# KiCad board Li-ion charger_panel.kicad_pcb (continued)
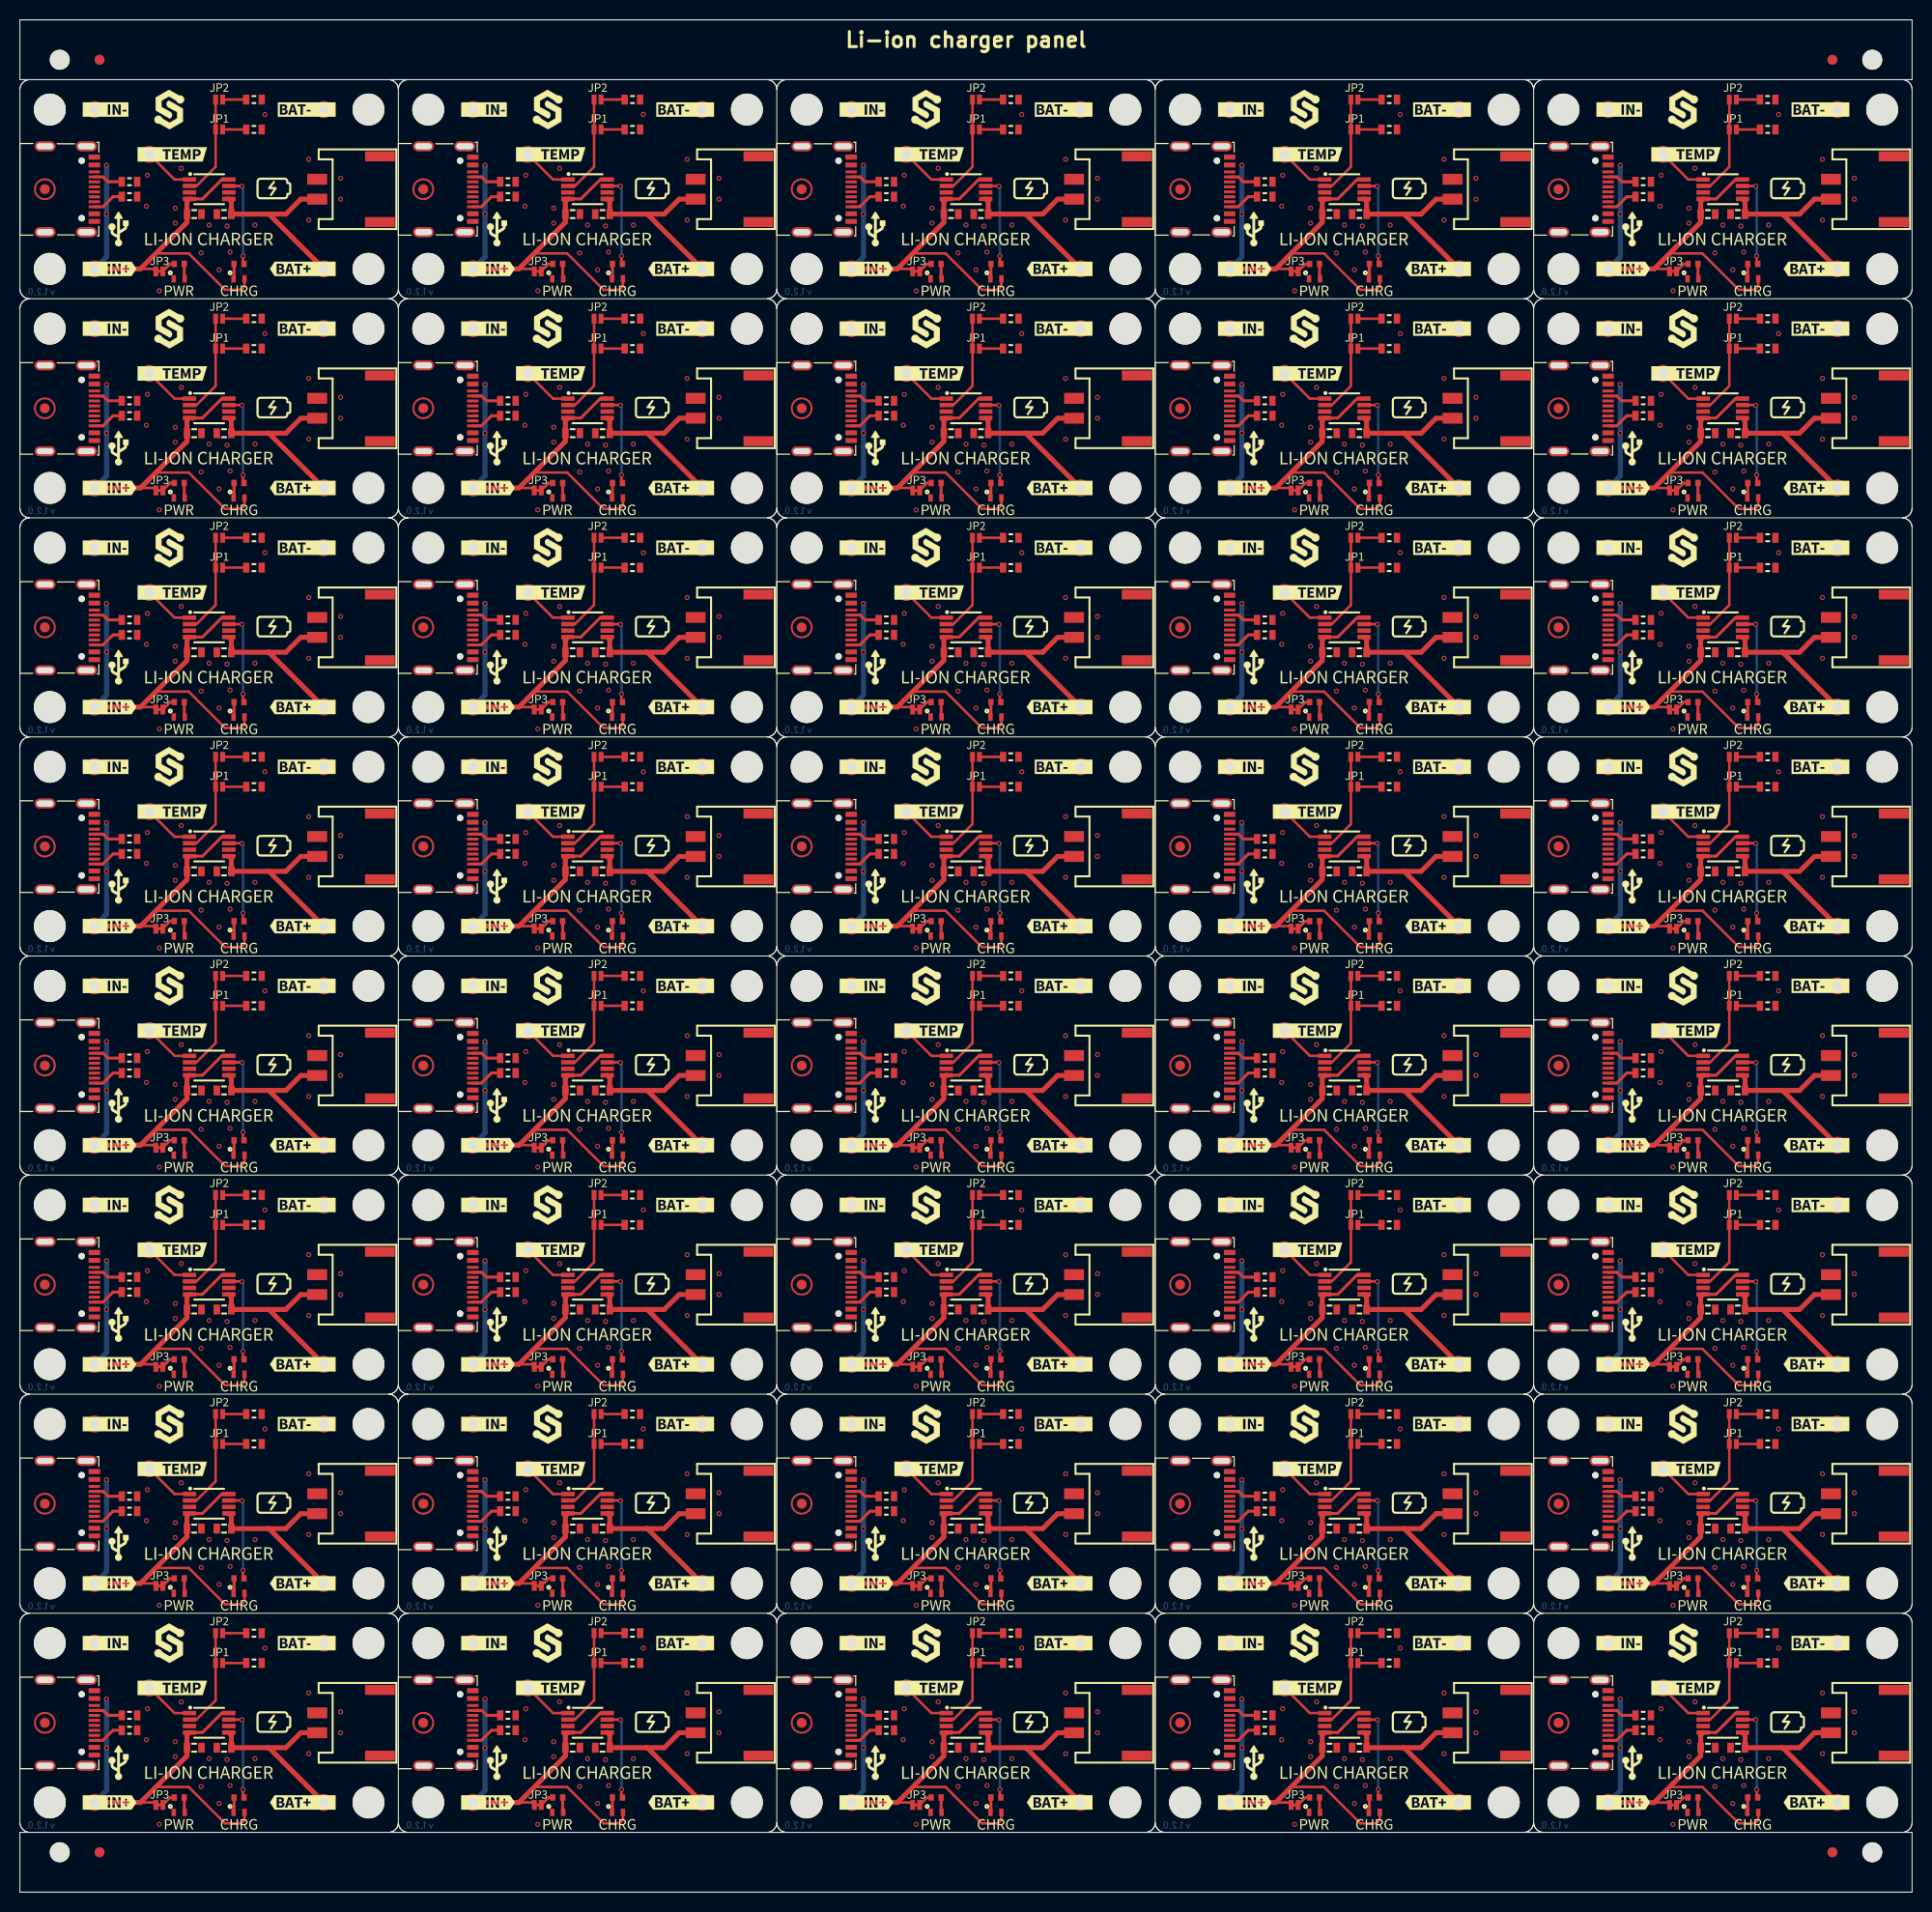
[diagram p0: board, top side]
## Routing (per net, layer and track width the routed paths; a pad name or vN(x,y) marks a point on that pad's centre or on a via; arc(x,y) is an arc through that point) (continued)
Board_10-Net-(D1-Pad2): length 1.5
  Top w0.3: D1#29.2 21.5,118.05 R5#9.2
Board_10-Net-(D2-Pad1): length 1.5
  Top w0.3: D2#26.1 16.5,118.05 R6#5.2
Board_10-Net-(JP1-Pad1): length 2.4
  Top w0.254: JP1#27.1 R3#19.2
Board_10-Net-(JP2-Pad1): length 2.4
  Top w0.254: JP2#8.1 R4#11.2
Board_10-Net-(JP3-Pad2): length 1.5
  Top w0.25: JP3#13.2 15.1,119.5 R6#5.1
Board_10-Net-(K1-PadA5): length 3
  Top w0.3: R2#12.1 8.85,127.75 8.36,128.24 K1#40.A5
Board_10-Net-(K1-PadB5): length 3.2
  Top w0.3: R1#10.1 9.35,126.25 8.34,125.24 K1#40.B5
Board_10-Net-(R5-Pad1): length 9.2
  Top w0.254: v1(22.4,120.3) 22.4,119.6 R5#9.1 ; v1(22.3,127.3) 22.28,127.33 U1#16.7
  Bottom w0.254: v1(22.4,120.3) 22.4,127.2 v1(22.3,127.3)
Board_10-PROG: length 10.2
  Top w0.254: JP2#8.2 JP1#27.2 19.65,129.25 17.73,127.33 U1#16.2
Board_10-TEMP: length 5.1
  Top w0.254: K4#16.1 15.53,127.98 U1#16.1
Board_10-VBAT: length 18.8
  Top w0.5: 24.9,124.5 26.7,124.5 28.2,126 K7#34.1 ; 24.9,124.5 25,124.5 K5#11.1 ; 24.9,124.5 C2#22.2 21.23,125.77 U1#16.5
Board_10-VUSB: length 42.3
  Top w0.25: JP3#13.1 13.4,119 12.1,119
  Top w0.254: 13.65,120.55 16.95,120.55 20.6,116.9 22.2,116.9 22.55,117.25 D1#29.1
  Top w0.3: U1#16.4 18.33,126.03 20.28,127.98 U1#16.8
  Top w0.5: K2#37.1 12.1,119 16.77,123.67 C1#17.2 16.77,125.77 U1#16.4
  Bottom w0.5: K2#37.1 8.7,120.2 v1(8.7,129.4)
  vias: v1(8.7,124.5)
Board_11-GND:
  vias: v1(50.7,125.3) v1(50.8,128.4) v1(52,116.8) v1(53.6,125.1) v1(53.6,123.6) v1(54.2,129.1) v1(56.2,120.6) v1(57,123.4) v1(58,118.9) v1(58.8,123.3) v1(59.1,120.7) v1(61.6,123.4) v1(62.6,134.5) v1(67,130) v1(67,123.9) v1(70.2,128.1) v1(70.2,126)
Board_11-Net-(D1-Pad2): length 1.5
  Top w0.3: D1#22.2 59.5,118.05 R5#18.2
Board_11-Net-(D2-Pad1): length 1.5
  Top w0.3: R6#29.2 54.5,118.05 D2#6.1
Board_11-Net-(JP1-Pad1): length 2.4
  Top w0.254: JP1#5.1 R3#6.2
Board_11-Net-(JP2-Pad1): length 2.4
  Top w0.254: JP2#28.1 R4#14.2
Board_11-Net-(JP3-Pad2): length 1.5
  Top w0.25: JP3#9.2 53.1,119.5 R6#29.1
Board_11-Net-(K1-PadA5): length 3
  Top w0.3: K1#35.A5 46.36,128.24 46.85,127.75 R2#26.1
Board_11-Net-(K1-PadB5): length 3.2
  Top w0.3: R1#22.1 47.35,126.25 46.34,125.24 K1#35.B5
Board_11-Net-(R5-Pad1): length 9.2
  Top w0.254: U1#5.7 60.28,127.33 v1(60.3,127.3) ; R5#18.1 60.4,119.6 v1(60.4,120.3)
  Bottom w0.254: v1(60.3,127.3) 60.4,127.2 v1(60.4,120.3)
Board_11-PROG: length 10.2
  Top w0.254: U1#5.2 55.73,127.33 57.65,129.25 JP1#5.2 JP2#28.2
Board_11-TEMP: length 5.1
  Top w0.254: K4#13.1 53.53,127.98 U1#5.1
Board_11-VBAT: length 18.8
  Top w0.5: K5#17.1 63,124.5 62.9,124.5 ; 62.9,124.5 64.7,124.5 66.2,126 K7#39.1 ; 62.9,124.5 C2#37.2 59.23,125.77 U1#5.5
Board_11-VUSB: length 42.3
  Top w0.25: 50.1,119 51.4,119 JP3#9.1
  Top w0.254: 51.65,120.55 54.95,120.55 58.6,116.9 60.2,116.9 60.55,117.25 D1#22.1
  Top w0.3: U1#5.4 56.33,126.03 58.28,127.98 U1#5.8
  Top w0.5: K2#24.1 50.1,119 54.77,123.67 C1#28.2 54.77,125.77 U1#5.4
  Bottom w0.5: K2#24.1 46.7,120.2 v1(46.7,129.4)
  vias: v1(46.7,124.5)
Board_12-GND:
  vias: v1(88.7,125.3) v1(88.8,128.4) v1(90,116.8) v1(91.6,125.1) v1(91.6,123.6) v1(92.2,129.1) v1(94.2,120.6) v1(95,123.4) v1(96,118.9) v1(96.8,123.3) v1(97.1,120.7) v1(99.6,123.4) v1(100.6,134.5) v1(105,130) v1(105,123.9) v1(108.2,128.1) v1(108.2,126)
Board_12-Net-(D1-Pad2): length 1.5
  Top w0.3: D1#15.2 97.5,118.05 R5#11.2
Board_12-Net-(D2-Pad1): length 1.5
  Top w0.3: D2#9.1 92.5,118.05 R6#9.2
Board_12-Net-(JP1-Pad1): length 2.4
  Top w0.254: JP1#40.1 R3#14.2
Board_12-Net-(JP2-Pad1): length 2.4
  Top w0.254: JP2#34.1 R4#38.2
Board_12-Net-(JP3-Pad2): length 1.5
  Top w0.25: R6#9.1 91.1,119.5 JP3#2.2
Board_12-Net-(K1-PadA5): length 3
  Top w0.3: R2#2.1 84.85,127.75 84.36,128.24 K1#23.A5
Board_12-Net-(K1-PadB5): length 3.2
  Top w0.3: R1#4.1 85.35,126.25 84.34,125.24 K1#23.B5
Board_12-Net-(R5-Pad1): length 9.2
  Top w0.254: v1(98.4,120.3) 98.4,119.6 R5#11.1 ; v1(98.3,127.3) 98.28,127.33 U1#3.7
  Bottom w0.254: v1(98.3,127.3) 98.4,127.2 v1(98.4,120.3)
Board_12-PROG: length 10.2
  Top w0.254: JP2#34.2 JP1#40.2 95.65,129.25 93.73,127.33 U1#3.2
Board_12-TEMP: length 5.1
  Top w0.254: K4#7.1 91.53,127.98 U1#3.1
Board_12-VBAT: length 18.8
  Top w0.5: K5#28.1 101,124.5 100.9,124.5 ; 100.9,124.5 C2#23.2 97.23,125.77 U1#3.5 ; 100.9,124.5 102.7,124.5 104.2,126 K7#13.1
Board_12-VUSB: length 42.3
  Top w0.25: JP3#2.1 89.4,119 88.1,119
  Top w0.254: 89.65,120.55 92.95,120.55 96.6,116.9 98.2,116.9 98.55,117.25 D1#15.1
  Top w0.3: U1#3.8 96.28,127.98 94.33,126.03 U1#3.4
  Top w0.5: U1#3.4 92.77,125.77 C1#39.2 92.77,123.67 88.1,119 K2#16.1
  Bottom w0.5: K2#16.1 84.7,120.2 v1(84.7,129.4)
  vias: v1(84.7,124.5)
Board_13-GND:
  vias: v1(126.7,125.3) v1(126.8,128.4) v1(128,116.8) v1(129.6,125.1) v1(129.6,123.6) v1(130.2,129.1) v1(132.2,120.6) v1(133,123.4) v1(134,118.9) v1(134.8,123.3) v1(135.1,120.7) v1(137.6,123.4) v1(138.6,134.5) v1(143,130) v1(143,123.9) v1(146.2,128.1) v1(146.2,126)
Board_13-Net-(D1-Pad2): length 1.5
  Top w0.3: R5#6.2 135.5,118.05 D1#14.2
Board_13-Net-(D2-Pad1): length 1.5
  Top w0.3: R6#31.2 130.5,118.05 D2#8.1
Board_13-Net-(JP1-Pad1): length 2.4
  Top w0.254: JP1#31.1 R3#15.2
Board_13-Net-(JP2-Pad1): length 2.4
  Top w0.254: JP2#9.1 R4#22.2
Board_13-Net-(JP3-Pad2): length 1.5
  Top w0.25: JP3#14.2 129.1,119.5 R6#31.1
Board_13-Net-(K1-PadA5): length 3
  Top w0.3: K1#12.A5 122.36,128.24 122.85,127.75 R2#3.1
Board_13-Net-(K1-PadB5): length 3.2
  Top w0.3: K1#12.B5 122.34,125.24 123.35,126.25 R1#18.1
Board_13-Net-(R5-Pad1): length 9.2
  Top w0.254: v1(136.3,127.3) 136.28,127.33 U1#32.7 ; R5#6.1 136.4,119.6 v1(136.4,120.3)
  Bottom w0.254: v1(136.3,127.3) 136.4,127.2 v1(136.4,120.3)
Board_13-PROG: length 10.2
  Top w0.254: JP2#9.2 JP1#31.2 133.65,129.25 131.73,127.33 U1#32.2
Board_13-TEMP: length 5.1
  Top w0.254: K4#17.1 129.53,127.98 U1#32.1
Board_13-VBAT: length 18.8
  Top w0.5: K5#33.1 139,124.5 138.9,124.5 ; 138.9,124.5 C2#15.2 135.23,125.77 U1#32.5 ; 138.9,124.5 140.7,124.5 142.2,126 K7#31.1
Board_13-VUSB: length 42.3
  Top w0.25: JP3#14.1 127.4,119 126.1,119
  Top w0.254: 127.65,120.55 130.95,120.55 134.6,116.9 136.2,116.9 136.55,117.25 D1#14.1
  Top w0.3: U1#32.8 134.28,127.98 132.33,126.03 U1#32.4
  Top w0.5: U1#32.4 130.77,125.77 C1#11.2 130.77,123.67 126.1,119 K2#14.1
  Bottom w0.5: K2#14.1 122.7,120.2 v1(122.7,129.4)
  vias: v1(122.7,124.5)
Board_14-GND:
  vias: v1(164.7,125.3) v1(164.8,128.4) v1(166,116.8) v1(167.6,125.1) v1(167.6,123.6) v1(168.2,129.1) v1(170.2,120.6) v1(171,123.4) v1(172,118.9) v1(172.8,123.3) v1(173.1,120.7) v1(175.6,123.4) v1(176.6,134.5) v1(181,130) v1(181,123.9) v1(184.2,128.1) v1(184.2,126)
Board_14-Net-(D1-Pad2): length 1.5
  Top w0.3: D1#23.2 173.5,118.05 R5#37.2
Board_14-Net-(D2-Pad1): length 1.5
  Top w0.3: D2#2.1 168.5,118.05 R6#40.2
Board_14-Net-(JP1-Pad1): length 2.4
  Top w0.254: JP1#12.1 R3#34.2
Board_14-Net-(JP2-Pad1): length 2.4
  Top w0.254: JP2#13.1 R4#10.2
Board_14-Net-(JP3-Pad2): length 1.5
  Top w0.25: JP3#12.2 167.1,119.5 R6#40.1
Board_14-Net-(K1-PadA5): length 3
  Top w0.3: R2#38.1 160.85,127.75 160.36,128.24 K1#25.A5
Board_14-Net-(K1-PadB5): length 3.2
  Top w0.3: R1#11.1 161.35,126.25 160.34,125.24 K1#25.B5
Board_14-Net-(R5-Pad1): length 9.2
  Top w0.254: R5#37.1 174.4,119.6 v1(174.4,120.3) ; v1(174.3,127.3) 174.28,127.33 U1#23.7
  Bottom w0.254: v1(174.4,120.3) 174.4,127.2 v1(174.3,127.3)
Board_14-PROG: length 10.2
  Top w0.254: U1#23.2 169.73,127.33 171.65,129.25 JP1#12.2 JP2#13.2
Board_14-TEMP: length 5.1
  Top w0.254: U1#23.1 167.53,127.98 K4#26.1
Board_14-VBAT: length 18.8
  Top w0.5: 176.9,124.5 177,124.5 K5#2.1 ; 176.9,124.5 C2#19.2 173.23,125.77 U1#23.5 ; 176.9,124.5 178.7,124.5 180.2,126 K7#14.1
Board_14-VUSB: length 42.3
  Top w0.25: JP3#12.1 165.4,119 164.1,119
  Top w0.254: D1#23.1 174.55,117.25 174.2,116.9 172.6,116.9 168.95,120.55 165.65,120.55
  Top w0.3: U1#23.8 172.28,127.98 170.33,126.03 U1#23.4
  Top w0.5: K2.1 164.1,119 168.77,123.67 C1#26.2 168.77,125.77 U1#23.4
  Bottom w0.5: K2.1 160.7,120.2 v1(160.7,129.4)
  vias: v1(160.7,124.5)
Board_15-GND:
  vias: v1(12.7,103.3) v1(12.8,106.4) v1(14,94.8) v1(15.6,103.1) v1(15.6,101.6) v1(16.2,107.1) v1(18.2,98.6) v1(19,101.4) v1(20,96.9) v1(20.8,101.3) v1(21.1,98.7) v1(23.6,101.4) v1(24.6,112.5) v1(29,108) v1(29,101.9) v1(32.2,106.1) v1(32.2,104)
Board_15-Net-(D1-Pad2): length 1.5
  Top w0.3: D1#21.2 21.5,96.05 R5#29.2
Board_15-Net-(D2-Pad1): length 1.5
  Top w0.3: D2#23.1 16.5,96.05 R6#18.2
Board_15-Net-(JP1-Pad1): length 2.4
  Top w0.254: JP1#4.1 R3.2
Board_15-Net-(JP2-Pad1): length 2.4
  Top w0.254: JP2#15.1 R4#34.2
Board_15-Net-(JP3-Pad2): length 1.5
  Top w0.25: JP3#21.2 15.1,97.5 R6#18.1
Board_15-Net-(K1-PadA5): length 3
  Top w0.3: R2#16.1 8.85,105.75 8.36,106.24 K1#8.A5
Board_15-Net-(K1-PadB5): length 3.2
  Top w0.3: R1#31.1 9.35,104.25 8.34,103.24 K1#8.B5
Board_15-Net-(R5-Pad1): length 9.2
  Top w0.254: R5#29.1 22.4,97.6 v1(22.4,98.3) ; U1#13.7 22.28,105.33 v1(22.3,105.3)
  Bottom w0.254: v1(22.4,98.3) 22.4,105.2 v1(22.3,105.3)
Board_15-PROG: length 10.2
  Top w0.254: JP2#15.2 JP1#4.2 19.65,107.25 17.73,105.33 U1#13.2
Board_15-TEMP: length 5.1
  Top w0.254: U1#13.1 15.53,105.98 K4#29.1
Board_15-VBAT: length 18.8
  Top w0.5: 24.9,102.5 C2#31.2 21.23,103.77 U1#13.5 ; 24.9,102.5 25,102.5 K5#25.1 ; 24.9,102.5 26.7,102.5 28.2,104 K7#23.1
Board_15-VUSB: length 42.3
  Top w0.25: 12.1,97 13.4,97 JP3#21.1
  Top w0.254: 13.65,98.55 16.95,98.55 20.6,94.9 22.2,94.9 22.55,95.25 D1#21.1
  Top w0.3: U1#13.8 20.28,105.98 18.33,104.03 U1#13.4
  Top w0.5: U1#13.4 16.77,103.77 C1#10.2 16.77,101.67 12.1,97 K2#33.1
  Bottom w0.5: K2#33.1 8.7,98.2 v1(8.7,107.4)
  vias: v1(8.7,102.5)
Board_16-GND:
  vias: v1(50.7,103.3) v1(50.8,106.4) v1(52,94.8) v1(53.6,103.1) v1(53.6,101.6) v1(54.2,107.1) v1(56.2,98.6) v1(57,101.4) v1(58,96.9) v1(58.8,101.3) v1(59.1,98.7) v1(61.6,101.4) v1(62.6,112.5) v1(67,108) v1(67,101.9) v1(70.2,106.1) v1(70.2,104)
Board_16-Net-(D1-Pad2): length 1.5
  Top w0.3: R5#2.2 59.5,96.05 D1#4.2
Board_16-Net-(D2-Pad1): length 1.5
  Top w0.3: D2#15.1 54.5,96.05 R6#39.2
Board_16-Net-(JP1-Pad1): length 2.4
  Top w0.254: JP1#19.1 R3#3.2
Board_16-Net-(JP2-Pad1): length 2.4
  Top w0.254: JP2#35.1 R4#37.2
Board_16-Net-(JP3-Pad2): length 1.5
  Top w0.25: JP3#24.2 53.1,97.5 R6#39.1
Board_16-Net-(K1-PadA5): length 3
  Top w0.3: K1.A5 46.36,106.24 46.85,105.75 R2#32.1
Board_16-Net-(K1-PadB5): length 3.2
  Top w0.3: K1.B5 46.34,103.24 47.35,104.25 R1#35.1
Board_16-Net-(R5-Pad1): length 9.2
  Top w0.254: v1(60.3,105.3) 60.28,105.33 U1#34.7 ; v1(60.4,98.3) 60.4,97.6 R5#2.1
  Bottom w0.254: v1(60.4,98.3) 60.4,105.2 v1(60.3,105.3)
Board_16-PROG: length 10.2
  Top w0.254: JP2#35.2 JP1#19.2 57.65,107.25 55.73,105.33 U1#34.2
Board_16-TEMP: length 5.1
  Top w0.254: U1#34.1 53.53,105.98 K4#9.1
Board_16-VBAT: length 18.8
  Top w0.5: K7#5.1 66.2,104 64.7,102.5 62.9,102.5 ; K5#35.1 63,102.5 62.9,102.5 ; 62.9,102.5 C2#10.2 59.23,103.77 U1#34.5
Board_16-VUSB: length 42.3
  Top w0.25: JP3#24.1 51.4,97 50.1,97
  Top w0.254: 51.65,98.55 54.95,98.55 58.6,94.9 60.2,94.9 60.55,95.25 D1#4.1
  Top w0.3: U1#34.8 58.28,105.98 56.33,104.03 U1#34.4
  Top w0.5: K2#36.1 50.1,97 54.77,101.67 C1#21.2 54.77,103.77 U1#34.4
  Bottom w0.5: v1(46.7,107.4) 46.7,98.2 K2#36.1
  vias: v1(46.7,102.5)
Board_17-GND:
  vias: v1(88.7,103.3) v1(88.8,106.4) v1(90,94.8) v1(91.6,103.1) v1(91.6,101.6) v1(92.2,107.1) v1(94.2,98.6) v1(95,101.4) v1(96,96.9) v1(96.8,101.3) v1(97.1,98.7) v1(99.6,101.4) v1(100.6,112.5) v1(105,108) v1(105,101.9) v1(108.2,106.1) v1(108.2,104)
Board_17-Net-(D1-Pad2): length 1.5
  Top w0.3: D1#36.2 97.5,96.05 R5#22.2
Board_17-Net-(D2-Pad1): length 1.5
  Top w0.3: R6#13.2 92.5,96.05 D2.1
Board_17-Net-(JP1-Pad1): length 2.4
  Top w0.254: JP1#24.1 R3#5.2
Board_17-Net-(JP2-Pad1): length 2.4
  Top w0.254: JP2#4.1 R4#35.2
Board_17-Net-(JP3-Pad2): length 1.5
  Top w0.25: JP3#34.2 91.1,97.5 R6#13.1
Board_17-Net-(K1-PadA5): length 3
  Top w0.3: R2#19.1 84.85,105.75 84.36,106.24 K1#15.A5
Board_17-Net-(K1-PadB5): length 3.2
  Top w0.3: K1#15.B5 84.34,103.24 85.35,104.25 R1#8.1
Board_17-Net-(R5-Pad1): length 9.2
  Top w0.254: U1#17.7 98.28,105.33 v1(98.3,105.3) ; R5#22.1 98.4,97.6 v1(98.4,98.3)
  Bottom w0.254: v1(98.3,105.3) 98.4,105.2 v1(98.4,98.3)
Board_17-PROG: length 10.2
  Top w0.254: U1#17.2 93.73,105.33 95.65,107.25 JP1#24.2 JP2#4.2
Board_17-TEMP: length 5.1
  Top w0.254: K4#39.1 91.53,105.98 U1#17.1
Board_17-VBAT: length 18.8
  Top w0.5: 100.9,102.5 101,102.5 K5#3.1 ; 100.9,102.5 102.7,102.5 104.2,104 K7#20.1 ; 100.9,102.5 C2#13.2 97.23,103.77 U1#17.5
Board_17-VUSB: length 42.3
  Top w0.25: 88.1,97 89.4,97 JP3#34.1
  Top w0.254: D1#36.1 98.55,95.25 98.2,94.9 96.6,94.9 92.95,98.55 89.65,98.55
  Top w0.3: U1#17.8 96.28,105.98 94.33,104.03 U1#17.4
  Top w0.5: K2#28.1 88.1,97 92.77,101.67 C1#19.2 92.77,103.77 U1#17.4
  Bottom w0.5: K2#28.1 84.7,98.2 v1(84.7,107.4)
  vias: v1(84.7,102.5)
Board_18-GND:
  vias: v1(126.7,103.3) v1(126.8,106.4) v1(128,94.8) v1(129.6,103.1) v1(129.6,101.6) v1(130.2,107.1) v1(132.2,98.6) v1(133,101.4) v1(134,96.9) v1(134.8,101.3) v1(135.1,98.7) v1(137.6,101.4) v1(138.6,112.5) v1(143,108) v1(143,101.9) v1(146.2,106.1) v1(146.2,104)
Board_18-Net-(D1-Pad2): length 1.5
  Top w0.3: R5#31.2 135.5,96.05 D1#38.2
Board_18-Net-(D2-Pad1): length 1.5
  Top w0.3: D2#17.1 130.5,96.05 R6#10.2
Board_18-Net-(JP1-Pad1): length 2.4
  Top w0.254: JP1#32.1 R3#27.2
Board_18-Net-(JP2-Pad1): length 2.4
  Top w0.254: JP2#10.1 R4#6.2
Board_18-Net-(JP3-Pad2): length 1.5
  Top w0.25: JP3#7.2 129.1,97.5 R6#10.1
Board_18-Net-(K1-PadA5): length 3
  Top w0.3: R2#21.1 122.85,105.75 122.36,106.24 K1#14.A5
Board_18-Net-(K1-PadB5): length 3.2
  Top w0.3: K1#14.B5 122.34,103.24 123.35,104.25 R1#14.1
Board_18-Net-(R5-Pad1): length 9.2
  Top w0.254: v1(136.4,98.3) 136.4,97.6 R5#31.1 ; U1#39.7 136.28,105.33 v1(136.3,105.3)
  Bottom w0.254: v1(136.3,105.3) 136.4,105.2 v1(136.4,98.3)
Board_18-PROG: length 10.2
  Top w0.254: JP2#10.2 JP1#32.2 133.65,107.25 131.73,105.33 U1#39.2
Board_18-TEMP: length 5.1
  Top w0.254: U1#39.1 129.53,105.98 K4#5.1
Board_18-VBAT: length 18.8
  Top w0.5: 138.9,102.5 C2#12.2 135.23,103.77 U1#39.5 ; 138.9,102.5 139,102.5 K5#18.1 ; 138.9,102.5 140.7,102.5 142.2,104 K7#27.1
Board_18-VUSB: length 42.3
  Top w0.25: 126.1,97 127.4,97 JP3#7.1
  Top w0.254: 127.65,98.55 130.95,98.55 134.6,94.9 136.2,94.9 136.55,95.25 D1#38.1
  Top w0.3: U1#39.4 132.33,104.03 134.28,105.98 U1#39.8
  Top w0.5: U1#39.4 130.77,103.77 C1#6.2 130.77,101.67 126.1,97 K2#18.1
  Bottom w0.5: v1(122.7,107.4) 122.7,98.2 K2#18.1
  vias: v1(122.7,102.5)
Board_19-GND:
  vias: v1(164.7,103.3) v1(164.8,106.4) v1(166,94.8) v1(167.6,103.1) v1(167.6,101.6) v1(168.2,107.1) v1(170.2,98.6) v1(171,101.4) v1(172,96.9) v1(172.8,101.3) v1(173.1,98.7) v1(175.6,101.4) v1(176.6,112.5) v1(181,108) v1(181,101.9) v1(184.2,106.1) v1(184.2,104)
Board_19-Net-(D1-Pad2): length 1.5
  Top w0.3: R5#5.2 173.5,96.05 D1#6.2
Board_19-Net-(D2-Pad1): length 1.5
  Top w0.3: D2#36.1 168.5,96.05 R6#28.2
Board_19-Net-(JP1-Pad1): length 2.4
  Top w0.254: JP1#7.1 R3#29.2
Board_19-Net-(JP2-Pad1): length 2.4
  Top w0.254: JP2#19.1 R4#21.2
Board_19-Net-(JP3-Pad2): length 1.5
  Top w0.25: R6#28.1 167.1,97.5 JP3#36.2
Board_19-Net-(K1-PadA5): length 3
  Top w0.3: R2#30.1 160.85,105.75 160.36,106.24 K1#26.A5
Board_19-Net-(K1-PadB5): length 3.2
  Top w0.3: R1#13.1 161.35,104.25 160.34,103.24 K1#26.B5
Board_19-Net-(R5-Pad1): length 9.2
  Top w0.254: R5#5.1 174.4,97.6 v1(174.4,98.3) ; U1#26.7 174.28,105.33 v1(174.3,105.3)
  Bottom w0.254: v1(174.3,105.3) 174.4,105.2 v1(174.4,98.3)
Board_19-PROG: length 10.2
  Top w0.254: JP2#19.2 JP1#7.2 171.65,107.25 169.73,105.33 U1#26.2
Board_19-TEMP: length 5.1
  Top w0.254: K4#2.1 167.53,105.98 U1#26.1
Board_19-VBAT: length 18.8
  Top w0.5: 176.9,102.5 C2#30.2 173.23,103.77 U1#26.5 ; 176.9,102.5 178.7,102.5 180.2,104 K7#28.1 ; 176.9,102.5 177,102.5 K5#27.1
Board_19-VUSB: length 42.3
  Top w0.25: JP3#36.1 165.4,97 164.1,97
  Top w0.254: 165.65,98.55 168.95,98.55 172.6,94.9 174.2,94.9 174.55,95.25 D1#6.1
  Top w0.3: U1#26.8 172.28,105.98 170.33,104.03 U1#26.4
  Top w0.5: U1#26.4 168.77,103.77 C1#12.2 168.77,101.67 164.1,97 K2#8.1
  Bottom w0.5: v1(160.7,107.4) 160.7,98.2 K2#8.1
  vias: v1(160.7,102.5)
Board_20-GND:
  vias: v1(12.7,81.3) v1(12.8,84.4) v1(14,72.8) v1(15.6,81.1) v1(15.6,79.6) v1(16.2,85.1) v1(18.2,76.6) v1(19,79.4) v1(20,74.9) v1(20.8,79.3) v1(21.1,76.7) v1(23.6,79.4) v1(24.6,90.5) v1(29,86) v1(29,79.9) v1(32.2,84.1) v1(32.2,82)
Board_20-Net-(D1-Pad2): length 1.5
  Top w0.3: R5#15.2 21.5,74.05 D1#17.2
Board_20-Net-(D2-Pad1): length 1.5
  Top w0.3: D2#21.1 16.5,74.05 R6#2.2
Board_20-Net-(JP1-Pad1): length 2.4
  Top w0.254: JP1#20.1 R3#32.2
Board_20-Net-(JP2-Pad1): length 2.4
  Top w0.254: JP2#7.1 R4#17.2
Board_20-Net-(JP3-Pad2): length 1.5
  Top w0.25: R6#2.1 15.1,75.5 JP3#4.2
Board_20-Net-(K1-PadA5): length 3
  Top w0.3: R2#20.1 8.85,83.75 8.36,84.24 K1#21.A5
Board_20-Net-(K1-PadB5): length 3.2
  Top w0.3: K1#21.B5 8.34,81.24 9.35,82.25 R1#37.1
Board_20-Net-(R5-Pad1): length 9.2
  Top w0.254: v1(22.4,76.3) 22.4,75.6 R5#15.1 ; U1#8.7 22.28,83.33 v1(22.3,83.3)
  Bottom w0.254: v1(22.3,83.3) 22.4,83.2 v1(22.4,76.3)
Board_20-PROG: length 10.2
  Top w0.254: U1#8.2 17.73,83.33 19.65,85.25 JP1#20.2 JP2#7.2
Board_20-TEMP: length 5.1
  Top w0.254: U1#8.1 15.53,83.98 K4#3.1
Board_20-VBAT: length 18.8
  Top w0.5: 24.9,80.5 25,80.5 K5#19.1 ; 24.9,80.5 26.7,80.5 28.2,82 K7#21.1 ; 24.9,80.5 C2#9.2 21.23,81.77 U1#8.5
Board_20-VUSB: length 42.3
  Top w0.25: JP3#4.1 13.4,75 12.1,75
  Top w0.254: 13.65,76.55 16.95,76.55 20.6,72.9 22.2,72.9 22.55,73.25 D1#17.1
  Top w0.3: U1#8.4 18.33,82.03 20.28,83.98 U1#8.8
  Top w0.5: U1#8.4 16.77,81.77 C1#32.2 16.77,79.67 12.1,75 K2#23.1
  Bottom w0.5: v1(8.7,85.4) 8.7,76.2 K2#23.1
  vias: v1(8.7,80.5)
Board_21-GND:
  vias: v1(50.7,81.3) v1(50.8,84.4) v1(52,72.8) v1(53.6,81.1) v1(53.6,79.6) v1(54.2,85.1) v1(56.2,76.6) v1(57,79.4) v1(58,74.9) v1(58.8,79.3) v1(59.1,76.7) v1(61.6,79.4) v1(62.6,90.5) v1(67,86) v1(67,79.9) v1(70.2,84.1) v1(70.2,82)
Board_21-Net-(D1-Pad2): length 1.5
  Top w0.3: D1.2 59.5,74.05 R5#34.2
Board_21-Net-(D2-Pad1): length 1.5
  Top w0.3: D2#27.1 54.5,74.05 R6#6.2
Board_21-Net-(JP1-Pad1): length 2.4
  Top w0.254: JP1#10.1 R3#23.2
Board_21-Net-(JP2-Pad1): length 2.4
  Top w0.254: JP2#25.1 R4#15.2
Board_21-Net-(JP3-Pad2): length 1.5
  Top w0.25: JP3#19.2 53.1,75.5 R6#6.1
Board_21-Net-(K1-PadA5): length 3
  Top w0.3: K1#17.A5 46.36,84.24 46.85,83.75 R2#37.1
Board_21-Net-(K1-PadB5): length 3.2
  Top w0.3: R1#40.1 47.35,82.25 46.34,81.24 K1#17.B5
Board_21-Net-(R5-Pad1): length 9.2
  Top w0.254: v1(60.4,76.3) 60.4,75.6 R5#34.1 ; U1#28.7 60.28,83.33 v1(60.3,83.3)
  Bottom w0.254: v1(60.4,76.3) 60.4,83.2 v1(60.3,83.3)
Board_21-PROG: length 10.2
  Top w0.254: U1#28.2 55.73,83.33 57.65,85.25 JP1#10.2 JP2#25.2
Board_21-TEMP: length 5.1
  Top w0.254: U1#28.1 53.53,83.98 K4#23.1
Board_21-VBAT: length 18.8
  Top w0.5: 62.9,80.5 64.7,80.5 66.2,82 K7#37.1 ; 62.9,80.5 C2#34.2 59.23,81.77 U1#28.5 ; 62.9,80.5 63,80.5 K5#6.1
Board_21-VUSB: length 42.3
  Top w0.25: JP3#19.1 51.4,75 50.1,75
  Top w0.254: D1.1 60.55,73.25 60.2,72.9 58.6,72.9 54.95,76.55 51.65,76.55
  Top w0.3: U1#28.4 56.33,82.03 58.28,83.98 U1#28.8
  Top w0.5: K2#6.1 50.1,75 54.77,79.67 C1#30.2 54.77,81.77 U1#28.4
  Bottom w0.5: K2#6.1 46.7,76.2 v1(46.7,85.4)
  vias: v1(46.7,80.5)
Board_22-GND:
  vias: v1(88.7,81.3) v1(88.8,84.4) v1(90,72.8) v1(91.6,81.1) v1(91.6,79.6) v1(92.2,85.1) v1(94.2,76.6) v1(95,79.4) v1(96,74.9) v1(96.8,79.3) v1(97.1,76.7) v1(99.6,79.4) v1(100.6,90.5) v1(105,86) v1(105,79.9) v1(108.2,84.1) v1(108.2,82)
Board_22-Net-(D1-Pad2): length 1.5
  Top w0.3: D1#27.2 97.5,74.05 R5#24.2
Board_22-Net-(D2-Pad1): length 1.5
  Top w0.3: R6#30.2 92.5,74.05 D2#4.1
Board_22-Net-(JP1-Pad1): length 2.4
  Top w0.254: JP1#29.1 R3#28.2
Board_22-Net-(JP2-Pad1): length 2.4
  Top w0.254: JP2#21.1 R4#39.2
Board_22-Net-(JP3-Pad2): length 1.5
  Top w0.25: JP3#35.2 91.1,75.5 R6#30.1
Board_22-Net-(K1-PadA5): length 3
  Top w0.3: R2#10.1 84.85,83.75 84.36,84.24 K1#10.A5
Board_22-Net-(K1-PadB5): length 3.2
  Top w0.3: R1#29.1 85.35,82.25 84.34,81.24 K1#10.B5
Board_22-Net-(R5-Pad1): length 9.2
  Top w0.254: U1#29.7 98.28,83.33 v1(98.3,83.3) ; R5#24.1 98.4,75.6 v1(98.4,76.3)
  Bottom w0.254: v1(98.3,83.3) 98.4,83.2 v1(98.4,76.3)
Board_22-PROG: length 10.2
  Top w0.254: U1#29.2 93.73,83.33 95.65,85.25 JP1#29.2 JP2#21.2
Board_22-TEMP: length 5.1
  Top w0.254: U1#29.1 91.53,83.98 K4#12.1
Board_22-VBAT: length 18.8
  Top w0.5: 100.9,80.5 102.7,80.5 104.2,82 K7#8.1 ; 100.9,80.5 C2#16.2 97.23,81.77 U1#29.5 ; 100.9,80.5 101,80.5 K5#21.1
Board_22-VUSB: length 42.3
  Top w0.25: 88.1,75 89.4,75 JP3#35.1
  Top w0.254: D1#27.1 98.55,73.25 98.2,72.9 96.6,72.9 92.95,76.55 89.65,76.55
  Top w0.3: U1#29.8 96.28,83.98 94.33,82.03 U1#29.4
  Top w0.5: U1#29.4 92.77,81.77 C1#33.2 92.77,79.67 88.1,75 K2#34.1
  Bottom w0.5: v1(84.7,85.4) 84.7,76.2 K2#34.1
  vias: v1(84.7,80.5)
Board_23-GND:
  vias: v1(126.7,81.3) v1(126.8,84.4) v1(128,72.8) v1(129.6,81.1) v1(129.6,79.6) v1(130.2,85.1) v1(132.2,76.6) v1(133,79.4) v1(134,74.9) v1(134.8,79.3) v1(135.1,76.7) v1(137.6,79.4) v1(138.6,90.5) v1(143,86) v1(143,79.9) v1(146.2,84.1) v1(146.2,82)
Board_23-Net-(D1-Pad2): length 1.5
  Top w0.3: R5#21.2 135.5,74.05 D1#19.2
Board_23-Net-(D2-Pad1): length 1.5
  Top w0.3: R6#20.2 130.5,74.05 D2#33.1
Board_23-Net-(JP1-Pad1): length 2.4
  Top w0.254: JP1#33.1 R3#4.2
Board_23-Net-(JP2-Pad1): length 2.4
  Top w0.254: JP2#36.1 R4#20.2
Board_23-Net-(JP3-Pad2): length 1.5
  Top w0.25: R6#20.1 129.1,75.5 JP3#27.2
Board_23-Net-(K1-PadA5): length 3
  Top w0.3: K1#6.A5 122.36,84.24 122.85,83.75 R2#28.1
Board_23-Net-(K1-PadB5): length 3.2
  Top w0.3: K1#6.B5 122.34,81.24 123.35,82.25 R1#38.1
Board_23-Net-(R5-Pad1): length 9.2
  Top w0.254: U1#18.7 136.28,83.33 v1(136.3,83.3) ; R5#21.1 136.4,75.6 v1(136.4,76.3)
  Bottom w0.254: v1(136.4,76.3) 136.4,83.2 v1(136.3,83.3)
Board_23-PROG: length 10.2
  Top w0.254: U1#18.2 131.73,83.33 133.65,85.25 JP1#33.2 JP2#36.2
Board_23-TEMP: length 5.1
  Top w0.254: K4#20.1 129.53,83.98 U1#18.1
Board_23-VBAT: length 18.8
  Top w0.5: K7#15.1 142.2,82 140.7,80.5 138.9,80.5 ; 138.9,80.5 C2#8.2 135.23,81.77 U1#18.5 ; 138.9,80.5 139,80.5 K5#32.1
Board_23-VUSB: length 42.3
  Top w0.25: 126.1,75 127.4,75 JP3#27.1
  Top w0.254: 127.65,76.55 130.95,76.55 134.6,72.9 136.2,72.9 136.55,73.25 D1#19.1
  Top w0.3: U1#18.4 132.33,82.03 134.28,83.98 U1#18.8
  Top w0.5: K2#5.1 126.1,75 130.77,79.67 C1#37.2 130.77,81.77 U1#18.4
  Bottom w0.5: v1(122.7,85.4) 122.7,76.2 K2#5.1
  vias: v1(122.7,80.5)
Board_24-GND:
  vias: v1(164.7,81.3) v1(164.8,84.4) v1(166,72.8) v1(167.6,81.1) v1(167.6,79.6) v1(168.2,85.1) v1(170.2,76.6) v1(171,79.4) v1(172,74.9) v1(172.8,79.3) v1(173.1,76.7) v1(175.6,79.4) v1(176.6,90.5) v1(181,86) v1(181,79.9) v1(184.2,84.1) v1(184.2,82)
Board_24-Net-(D1-Pad2): length 1.5
  Top w0.3: D1#10.2 173.5,74.05 R5#16.2
Board_24-Net-(D2-Pad1): length 1.5
  Top w0.3: D2#40.1 168.5,74.05 R6#38.2
Board_24-Net-(JP1-Pad1): length 2.4
  Top w0.254: JP1#2.1 R3#33.2
Board_24-Net-(JP2-Pad1): length 2.4
  Top w0.254: JP2#12.1 R4#12.2
Board_24-Net-(JP3-Pad2): length 1.5
  Top w0.25: JP3#5.2 167.1,75.5 R6#38.1
Board_24-Net-(K1-PadA5): length 3
  Top w0.3: R2#17.1 160.85,83.75 160.36,84.24 K1#34.A5
Board_24-Net-(K1-PadB5): length 3.2
  Top w0.3: R1#21.1 161.35,82.25 160.34,81.24 K1#34.B5
Board_24-Net-(R5-Pad1): length 9.2
  Top w0.254: U1#2.7 174.28,83.33 v1(174.3,83.3) ; R5#16.1 174.4,75.6 v1(174.4,76.3)
  Bottom w0.254: v1(174.3,83.3) 174.4,83.2 v1(174.4,76.3)
Board_24-PROG: length 10.2
  Top w0.254: JP2#12.2 JP1#2.2 171.65,85.25 169.73,83.33 U1#2.2
Board_24-TEMP: length 5.1
  Top w0.254: K4#35.1 167.53,83.98 U1#2.1
Board_24-VBAT: length 18.8
  Top w0.5: K5#36.1 177,80.5 176.9,80.5 ; 176.9,80.5 C2#40.2 173.23,81.77 U1#2.5 ; 176.9,80.5 178.7,80.5 180.2,82 K7#3.1
Board_24-VUSB: length 42.3
  Top w0.25: 164.1,75 165.4,75 JP3#5.1
  Top w0.254: D1#10.1 174.55,73.25 174.2,72.9 172.6,72.9 168.95,76.55 165.65,76.55
  Top w0.3: U1#2.8 172.28,83.98 170.33,82.03 U1#2.4
  Top w0.5: U1#2.4 168.77,81.77 C1#18.2 168.77,79.67 164.1,75 K2#9.1
  Bottom w0.5: K2#9.1 160.7,76.2 v1(160.7,85.4)
  vias: v1(160.7,80.5)
Board_25-GND:
  vias: v1(12.7,59.3) v1(12.8,62.4) v1(14,50.8) v1(15.6,59.1) v1(15.6,57.6) v1(16.2,63.1) v1(18.2,54.6) v1(19,57.4) v1(20,52.9) v1(20.8,57.3) v1(21.1,54.7) v1(23.6,57.4) v1(24.6,68.5) v1(29,64) v1(29,57.9) v1(32.2,62.1) v1(32.2,60)
Board_25-Net-(D1-Pad2): length 1.5
  Top w0.3: R5#3.2 21.5,52.05 D1#5.2
Board_25-Net-(D2-Pad1): length 1.5
  Top w0.3: D2#10.1 16.5,52.05 R6#34.2
Board_25-Net-(JP1-Pad1): length 2.4
  Top w0.254: JP1#8.1 R3#10.2
Board_25-Net-(JP2-Pad1): length 2.4
  Top w0.254: JP2#14.1 R4#26.2
Board_25-Net-(JP3-Pad2): length 1.5